# KiCad board PC110-no-placement.kicad_pcb (continued)
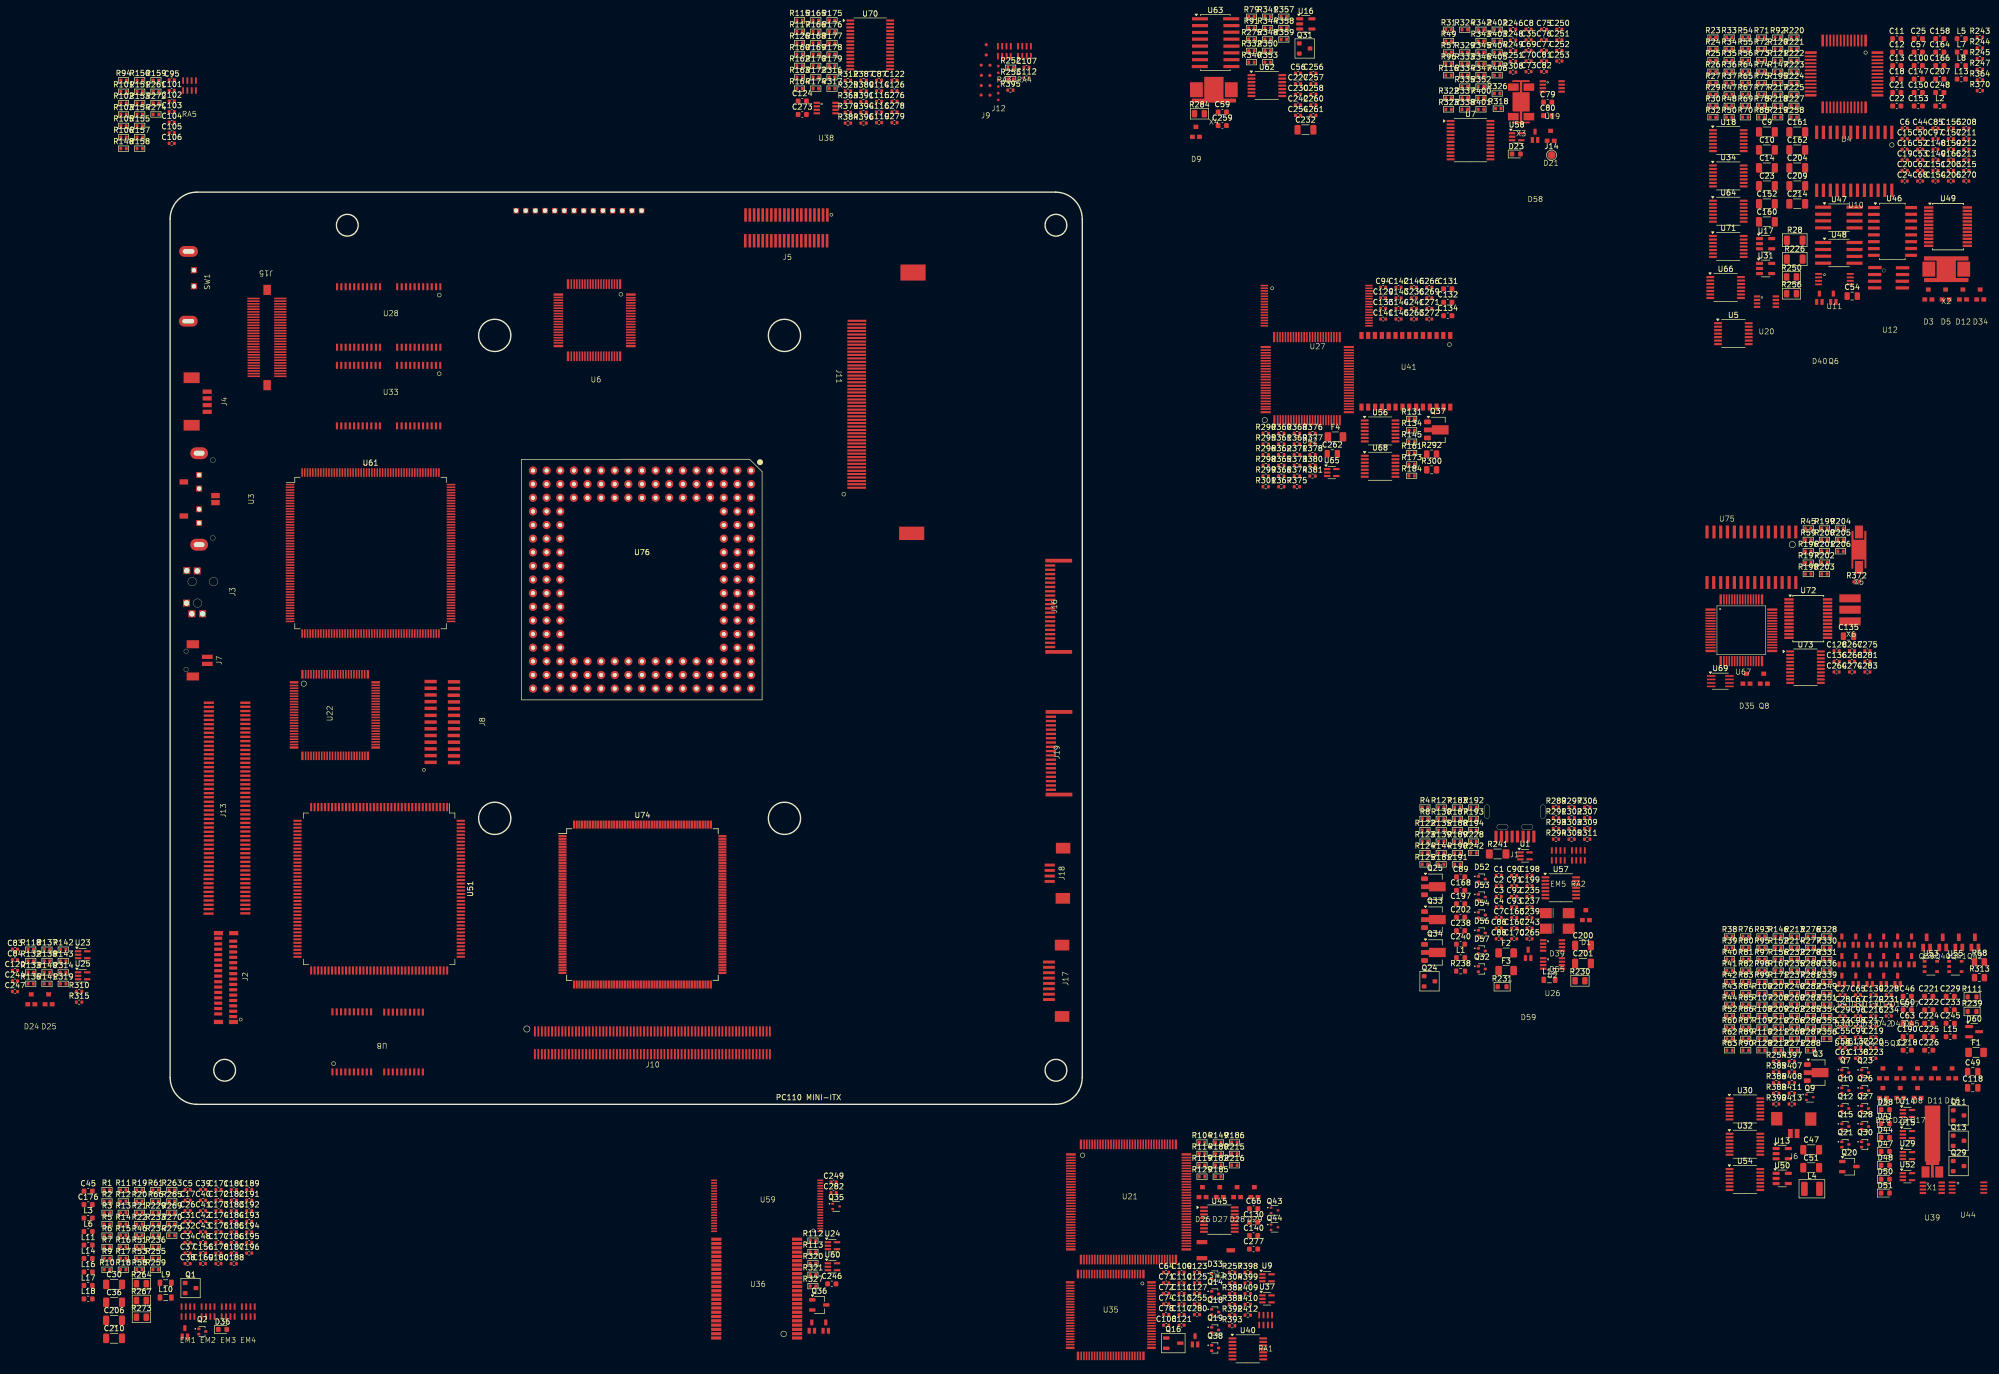
[diagram p0: board, top side]
## Placement (name value [footprint] x y rotation side) (continued)
J19  -  [Flat-18]  165.76 65.63 90 top
L1  1.5uH  [L_0603_1608Metric]  240.52 27.34 0 top
L2  1.5uH  [L_0603_1608Metric]  329.83 186.05 0 top
L3  1.5uH  [L_0603_1608Metric]  -15.28 -21.2 0 top
L4  68uH  [L_1210_3225Metric]  306 -15.75 0 top
L5  1.5uH  [L_0603_1608Metric]  333.84 198.6 0 top
L6  1.5uH  [L_0603_1608Metric]  -15.28 -23.71 0 top
L7  1.5uH  [L_0603_1608Metric]  333.84 196.09 0 top
L8  1.5uH  [L_0603_1608Metric]  333.84 193.58 0 top
L9  300nH  [L_0805_2012Metric]  -0.83 -33.26 0 top
L10  300nH  [L_0805_2012Metric]  -0.83 -36.01 0 top
L11  1.5uH  [L_0603_1608Metric]  -15.28 -26.22 0 top
L12  300nH  [L_0805_2012Metric]  257.08 23.21 0 top
L13  1.5uH  [L_0603_1608Metric]  333.84 191.07 0 top
L14  1.5uH  [L_0603_1608Metric]  -15.28 -28.73 0 top
L15  1.5uH  [L_0603_1608Metric]  331.78 12.6 0 top
L16  1.5uH  [L_0603_1608Metric]  -15.28 -31.24 0 top
L17  1.5uH  [L_0603_1608Metric]  -15.28 -33.75 0 top
L18  1.5uH  [L_0603_1608Metric]  -15.28 -36.26 0 top
Q1  IS6  [SOT-23]  3.8 -34.24 0 top
Q2  8C  [SOT-416]  5.99 -42.33 0 top
Q3  582 B74  [SOT-89-3]  307.08 5.91 0 top
Q4  YQ  [SOT-416L]  316.83 23.18 0 top
Q5  HQ  [SOT-416L]  319.43 23.18 0 top
Q6  ST3  [SOT-416L]  310.04 150.28 0 top
Q7  8C  [SOT-416]  312.23 5.92 0 top
Q8  6D  [3D]  297.07 79.12 0 top
Q9  8C  [SOT-523]  305.61 1.32 0 top
Q10  8C  [SOT-416]  312.23 2.57 0 top
Q11  IS6  [SOT-23]  333.34 -2.07 0 top
Q12  8C  [SOT-416]  312.23 -0.78 0 top
Q13  IS6  [SOT-23]  333.34 -6.79 0 top
Q14  8C  [SOT-416]  194.77 -35.35 0 top
Q15  8B  [SOT-416]  312.23 -4.13 0 top
Q16  IS6  [TSOT-23#2]  186.97 -44.51 0 top
Q17  6D  [3D]  325.73 1.92 0 top
Q18  8C  [SOT-416]  194.77 -38.7 0 top
Q19  8B  [SOT-416]  194.77 -42.05 0 top
Q20  7C  [TSOT-23#2]  312.97 -11.6 0 top
Q21  8B  [SOT-416]  312.23 -7.48 0 top
Q22  YQ  [SOT-416L]  322.03 23.18 0 top
Q23  8B  [SOT-416]  315.9 5.92 0 top
Q24  6D  [SOT-23]  234.73 22.92 0 top
Q25  BH RT  [SOT-89-3]  235.74 40.55 0 top
Q26  8C  [SOT-416]  315.9 2.57 0 top
Q27  8C  [SOT-416]  315.9 -0.78 0 top
Q28  8LR  [SOT-416]  315.9 -4.13 0 top
Q29  DNP  [SOT-23]  333.34 -11.51 0 top
Q30  8C  [SOT-416]  315.9 -7.48 0 top
Q31  6D  [SOT-23]  211.45 196.77 0 top
Q32  8B  [SOT-416]  244.48 25.23 0 top
Q33  BH RT  [SOT-89-3]  235.74 34.43 0 top
Q34  BH RT  [SOT-89-3]  235.74 28.3 0 top
Q35  8C  [SOT-523]  124.13 -19.03 0 top
Q36  7C  [TSOT-23#2]  120.99 -37.38 0 top
Q37  BH RT  [SOT-89-3]  236.29 125.69 0 top
Q38  8C  [SOT-416]  194.77 -45.4 0 top
Q39  HQ  [TSOT-23]  327.38 30.13 0 top
Q40  HQ  [TSOT-23]  330.38 30.13 0 top
Q41  CQ  [TSOT-23]  333.38 30.13 0 top
Q42  CQ  [TSOT-23]  336.38 30.13 0 top
Q43  8B  [SOT-523]  205.84 -19.76 0 top
Q44  8B  [SOT-523]  205.84 -22.91 0 top
R1  470k  [R_0402_1005Metric]  -11.77 -15.98 0 top
R2  470k  [R_0402_1005Metric]  -11.77 -18.1 0 top
R3  131k  [R_0402_1005Metric]  -11.77 -20.22 0 top
R4  4.7k  [R_0402_1005Metric]  233.88 55.31 0 top
R5  470k  [R_0402_1005Metric]  -11.77 -22.34 0 top
R6  470k  [R_0402_1005Metric]  -11.77 -24.46 0 top
R7  470k  [R_0402_1005Metric]  -11.77 -26.58 0 top
R8  300  [R_0402_1005Metric]  233.88 53.19 0 top
R9  4.7k  [R_0402_1005Metric]  -11.77 -28.7 0 top
R10  470k  [R_0402_1005Metric]  -11.77 -30.82 0 top
R11  470k  [R_0402_1005Metric]  -8.75 -15.98 0 top
R12  182k  [R_0402_1005Metric]  -8.75 -18.1 0 top
R13  470k  [R_0402_1005Metric]  -8.75 -20.22 0 top
R14  10  [R_0402_1005Metric]  -8.75 -22.34 0 top
R15  470k  [R_0402_1005Metric]  -8.75 -24.46 0 top
R16  0  [R_0402_1005Metric]  -8.75 -26.58 0 top
R17  10  [R_0402_1005Metric]  -8.75 -28.7 0 top
R18  470k  [R_0402_1005Metric]  -8.75 -30.82 0 top
R19  470k  [R_0402_1005Metric]  -5.73 -15.98 0 top
R20  10  [R_0402_1005Metric]  -5.73 -18.1 0 top
R21  0  [R_0402_1005Metric]  -5.73 -20.22 0 top
R22  470k  [R_0402_1005Metric]  -5.73 -22.34 0 top
R23  0  [R_0402_1005Metric]  287.55 198.79 0 top
R24  4.7k  [R_0402_1005Metric]  287.55 196.67 0 top
R25  1k  [R_0402_1005Metric]  287.55 194.55 0 top
R26  2.2k  [R_0402_1005Metric]  287.55 192.43 0 top
R27  470k  [R_0402_1005Metric]  287.55 190.31 0 top
R28  56  [R_1206_3216Metric]  302.8 161.03 0 top
R29  1k  [R_0402_1005Metric]  287.55 188.19 0 top
R30  0  [R_0402_1005Metric]  287.55 186.07 0 top
R31  300  [R_0402_1005Metric]  238.27 200.26 0 top
R32  2.2k  [R_0402_1005Metric]  287.55 183.95 0 top
R33  470k  [R_0402_1005Metric]  290.57 198.79 0 top
R34  1k  [R_0402_1005Metric]  290.57 196.67 0 top
R35  100k  [R_0402_1005Metric]  290.57 194.55 0 top
R36  10k  [R_0402_1005Metric]  290.57 192.43 0 top
R37  100k  [R_0402_1005Metric]  290.57 190.31 0 top
R38  4.7k  [R_0402_1005Metric]  290.65 31.27 0 top
R39  47k  [R_0402_1005Metric]  290.65 29.15 0 top
R40  47k  [R_0402_1005Metric]  290.65 27.03 0 top
R41  10k  [R_0402_1005Metric]  290.65 24.91 0 top
R42  4.7k  [R_0402_1005Metric]  290.65 22.79 0 top
R43  68k  [R_0402_1005Metric]  290.65 20.67 0 top
R44  100k  [R_0402_1005Metric]  290.65 18.55 0 top
R45  100k  [R_0402_1005Metric]  305.31 107.31 0 top
R46  33  [R_0402_1005Metric]  -5.73 -24.46 0 top
R47  DNP  [R_0402_1005Metric]  290.57 188.19 0 top  (not fitted)
R48  DNP  [R_0402_1005Metric]  290.57 186.07 0 top  (not fitted)
R49  100k  [R_0402_1005Metric]  238.27 198.14 0 top
R50  DNP  [R_0402_1005Metric]  290.57 183.95 0 top  (not fitted)
R51  0  [R_0402_1005Metric]  -5.73 -26.58 0 top
R52  120k  [R_0402_1005Metric]  290.65 16.43 0 top
R53  33  [R_0402_1005Metric]  -5.73 -28.7 0 top
R54  DNP  [R_0402_1005Metric]  293.59 198.79 0 top  (not fitted)
R55  DNP  [R_0402_1005Metric]  293.59 196.67 0 top  (not fitted)
R56  DNP  [R_0402_1005Metric]  293.59 194.55 0 top  (not fitted)
R57  100k  [R_0402_1005Metric]  238.27 196.02 0 top
R58  0  [R_0402_1005Metric]  -5.73 -30.82 0 top
R59  100k  [R_0402_1005Metric]  305.31 105.19 0 top
R60  50k  [R_0402_1005Metric]  290.65 14.31 0 top
R61  470k  [R_0402_1005Metric]  -2.71 -15.98 0 top
R62  68k  [R_0402_1005Metric]  290.65 12.19 0 top
R63  68k  [R_0402_1005Metric]  290.65 10.07 0 top
R64  DNP  [R_0402_1005Metric]  293.59 192.43 0 top  (not fitted)
R65  DNP  [R_0402_1005Metric]  293.59 190.31 0 top  (not fitted)
R66  270  [R_0402_1005Metric]  -2.71 -18.1 0 top
R67  0  [R_0402_1005Metric]  293.59 188.19 0 top
R68  56  [R_0805_2012Metric]  337.22 26.56 0 top
R69  2.2k  [R_0402_1005Metric]  293.59 186.07 0 top
R70  DNP  [R_0402_1005Metric]  293.59 183.95 0 top
R71  10k  [R_0402_1005Metric]  296.61 198.79 0 top
R72  0  [R_0402_1005Metric]  296.61 196.67 0 top
R73  2.2k  [R_0402_1005Metric]  296.61 194.55 0 top
R74  10k  [R_0402_1005Metric]  296.61 192.43 0 top
R75  0  [R_0402_1005Metric]  296.61 190.31 0 top
R76  1k  [R_0402_1005Metric]  293.67 31.27 0 top
R77  470k  [R_0402_1005Metric]  296.61 188.19 0 top
R78  10k  [R_0402_1005Metric]  296.61 186.07 0 top
R79  0  [R_0402_1005Metric]  201.54 202.69 0 top
R80  470k  [R_0402_1005Metric]  293.67 29.15 0 top
R81  100k  [R_0402_1005Metric]  293.67 27.03 0 top
R82  470k  [R_0402_1005Metric]  293.67 24.91 0 top
R83  470k  [R_0402_1005Metric]  293.67 22.79 0 top
R84  0  [R_0402_1005Metric]  293.67 20.67 0 top
R85  47k  [R_0402_1005Metric]  293.67 18.55 0 top
R86  4.7k  [R_0402_1005Metric]  293.67 16.43 0 top
R87  100k  [R_0402_1005Metric]  293.67 14.31 0 top
R88  0  [R_0402_1005Metric]  296.61 183.95 0 top
R89  4.7k  [R_0402_1005Metric]  293.67 12.19 0 top
R90  470k  [R_0402_1005Metric]  293.67 10.07 0 top
R91  470k  [R_0402_1005Metric]  201.54 200.57 0 top
R92  47  [R_0402_1005Metric]  299.63 198.79 0 top
R93  47k  [R_0402_1005Metric]  296.69 31.27 0 top
R94  470k  [R_0402_1005Metric]  -8.69 190.83 0 top
R95  47k  [R_0402_1005Metric]  296.69 29.15 0 top
R96  47k  [R_0402_1005Metric]  238.27 193.9 0 top
R97  10k  [R_0402_1005Metric]  296.69 27.03 0 top
R98  4.7k  [R_0402_1005Metric]  296.69 24.91 0 top
R99  470  [R_0402_1005Metric]  296.69 22.79 0 top
R100  220  [R_0402_1005Metric]  296.69 20.67 0 top
R101  33  [R_0402_1005Metric]  -8.69 188.71 0 top
R102  470k  [R_0402_1005Metric]  -8.69 186.59 0 top
R103  33  [R_0402_1005Metric]  -8.69 184.47 0 top
R104  47k  [R_0402_1005Metric]  192.32 -7.12 0 top
R105  470k  [R_0402_1005Metric]  -8.69 182.35 0 top
R106  33  [R_0402_1005Metric]  -8.69 180.23 0 top
R107  33k  [R_0402_1005Metric]  296.69 18.55 0 top
R108  4.7k  [R_0402_1005Metric]  296.69 16.43 0 top
R109  10k  [R_0402_1005Metric]  296.69 14.31 0 top
R110  10k  [R_0402_1005Metric]  296.69 12.19 0 top
R111  100  [R_0603_1608Metric]  335.85 20.02 0 top
R112  47k  [R_0402_1005Metric]  119.81 -25.4 0 top
R113  470k  [R_0402_1005Metric]  119.81 -27.52 0 top
R114  47k  [R_0402_1005Metric]  192.32 -9.24 0 top
R115  10k  [R_0402_1005Metric]  117.32 202.01 0 top
R116  100k  [R_0402_1005Metric]  238.27 191.78 0 top
R117  47k  [R_0402_1005Metric]  117.32 199.89 0 top
R118  100k  [R_0402_1005Metric]  -25.98 28.82 0 top
R119  470k  [R_0402_1005Metric]  192.32 -11.36 0 top
R120  100k  [R_0402_1005Metric]  299.63 196.67 0 top
R121  100k  [R_0402_1005Metric]  299.63 194.55 0 top
R122  470k  [R_0402_1005Metric]  233.88 51.07 0 top
R123  470k  [R_0402_1005Metric]  233.88 48.95 0 top
R124  470k  [R_0402_1005Metric]  233.88 46.83 0 top
R125  470k  [R_0402_1005Metric]  233.88 44.71 0 top
R126  470k  [R_0402_1005Metric]  117.32 197.77 0 top
R127  470k  [R_0402_1005Metric]  236.9 55.31 0 top
R128  470k  [R_0402_1005Metric]  296.69 10.07 0 top
R129  133k  [R_0402_1005Metric]  192.32 -13.48 0 top
R130  470k  [R_0402_1005Metric]  236.9 53.19 0 top
R131  DNP  [R_0402_1005Metric]  231.4 127.73 0 top  (not fitted)
R132  2k  [R_0402_1005Metric]  -25.98 26.7 0 top
R133  2k  [R_0402_1005Metric]  -25.98 24.58 0 top
R134  10k  [R_0402_1005Metric]  231.4 125.61 0 top
R135  470k  [R_0402_1005Metric]  236.9 51.07 0 top
R136  1k  [R_0402_1005Metric]  -25.98 22.46 0 top
R137  2k  [R_0402_1005Metric]  -22.96 28.82 0 top
R138  1k  [R_0402_1005Metric]  -22.96 26.7 0 top
R139  470k  [R_0402_1005Metric]  236.9 48.95 0 top
R140  1k  [R_0402_1005Metric]  -22.96 24.58 0 top
R141  1k  [R_0402_1005Metric]  -22.96 22.46 0 top
R142  1k  [R_0402_1005Metric]  -19.94 28.82 0 top
R143  10k  [R_0402_1005Metric]  -19.94 26.7 0 top
R144  470k  [R_0402_1005Metric]  236.9 46.83 0 top
R145  DNP  [R_0402_1005Metric]  231.4 123.49 0 top
R146  470k  [R_0402_1005Metric]  299.71 31.27 0 top
R147  470k  [R_0402_1005Metric]  299.63 192.43 0 top
R148  470k  [R_0402_1005Metric]  -8.69 178.11 0 top
R149  33  [R_0402_1005Metric]  195.34 -7.12 0 top
R150  100k  [R_0402_1005Metric]  -5.67 190.83 0 top
R151  100k  [R_0402_1005Metric]  -5.67 188.71 0 top
R152  470k  [R_0402_1005Metric]  299.71 29.15 0 top
R153  100k  [R_0402_1005Metric]  -5.67 186.59 0 top
R154  33  [R_0402_1005Metric]  -5.67 184.47 0 top
R155  100k  [R_0402_1005Metric]  -5.67 182.35 0 top
R156  470k  [R_0402_1005Metric]  299.71 27.03 0 top
R157  100k  [R_0402_1005Metric]  -5.67 180.23 0 top
R158  470k  [R_0402_1005Metric]  -5.67 178.11 0 top
R159  33  [R_0402_1005Metric]  -2.65 190.83 0 top
R160  470k  [R_0402_1005Metric]  117.32 195.65 0 top
R161  470k  [R_0402_1005Metric]  231.4 121.37 0 top
R162  470k  [R_0402_1005Metric]  117.32 193.53 0 top
R163  10k  [R_0402_1005Metric]  117.32 191.41 0 top
R164  10k  [R_0402_1005Metric]  117.32 189.29 0 top
R165  47k  [R_0402_1005Metric]  120.34 202.01 0 top
R166  10k  [R_0402_1005Metric]  120.34 199.89 0 top
R167  100k  [R_0402_1005Metric]  299.71 24.91 0 top
R168  10k  [R_0402_1005Metric]  120.34 197.77 0 top
R169  10k  [R_0402_1005Metric]  120.34 195.65 0 top
R170  10k  [R_0402_1005Metric]  120.34 193.53 0 top
R171  47k  [R_0402_1005Metric]  299.71 22.79 0 top
R172  10k  [R_0402_1005Metric]  120.34 191.41 0 top
R173  470k  [R_0402_1005Metric]  231.4 119.25 0 top
R174  10k  [R_0402_1005Metric]  120.34 189.29 0 top
R175  10k  [R_0402_1005Metric]  123.36 202.01 0 top
R176  10k  [R_0402_1005Metric]  123.36 199.89 0 top
R177  47k  [R_0402_1005Metric]  123.36 197.77 0 top
R178  10k  [R_0402_1005Metric]  123.36 195.65 0 top
R179  10k  [R_0402_1005Metric]  123.36 193.53 0 top
R180  180k  [R_0402_1005Metric]  195.34 -9.24 0 top
R181  10k  [R_0402_1005Metric]  236.9 44.71 0 top
R182  470k  [R_0402_1005Metric]  195.34 -11.36 0 top
R183  470k  [R_0402_1005Metric]  239.92 55.31 0 top
R184  DNP  [R_0402_1005Metric]  231.4 117.13 0 top  (not fitted)
R185  4.7k  [R_0402_1005Metric]  195.34 -13.48 0 top
R186  470k  [R_0402_1005Metric]  198.36 -7.12 0 top
R187  470k  [R_0402_1005Metric]  239.92 53.19 0 top
R188  10k  [R_0402_1005Metric]  239.92 51.07 0 top
R189  470k  [R_0402_1005Metric]  239.92 48.95 0 top
R190  470k  [R_0402_1005Metric]  239.92 46.83 0 top
R191  470k  [R_0402_1005Metric]  239.92 44.71 0 top
R192  10k  [R_0402_1005Metric]  242.94 55.31 0 top
R193  10k  [R_0402_1005Metric]  242.94 53.19 0 top
R194  470k  [R_0402_1005Metric]  242.94 51.07 0 top
R195  0  [R_0402_1005Metric]  299.63 190.31 0 top
R196  47k  [R_0402_1005Metric]  305.31 103.07 0 top
R197  47k  [R_0402_1005Metric]  305.31 100.95 0 top
R198  10k  [R_0402_1005Metric]  305.31 98.83 0 top
R199  DNP  [R_0402_1005Metric]  308.33 107.31 0 top  (not fitted)
R200  47k  [R_0402_1005Metric]  308.33 105.19 0 top
R201  100k  [R_0402_1005Metric]  308.33 103.07 0 top
R202  DNP  [R_0402_1005Metric]  308.33 100.95 0 top  (not fitted)
R203  10k  [R_0402_1005Metric]  308.33 98.83 0 top
R204  47k  [R_0402_1005Metric]  311.35 107.31 0 top
R205  100k  [R_0402_1005Metric]  311.35 105.19 0 top
R206  47k  [R_0402_1005Metric]  311.35 103.07 0 top
R207  120k  [R_0402_1005Metric]  299.71 20.67 0 top
R208  120k  [R_0402_1005Metric]  299.71 18.55 0 top
R209  100k  [R_0402_1005Metric]  299.71 16.43 0 top
R210  100K  [R_0402_1005Metric]  299.71 14.31 0 top
R211  120k  [R_0402_1005Metric]  299.71 12.19 0 top
R212  100k  [R_0402_1005Metric]  299.71 10.07 0 top
R213  120k  [R_0402_1005Metric]  302.73 31.27 0 top
R214  100k  [R_0402_1005Metric]  302.73 29.15 0 top
R215  470k  [R_0402_1005Metric]  198.36 -9.24 0 top
R216  470k  [R_0402_1005Metric]  198.36 -11.36 0 top
R217  470k  [R_0402_1005Metric]  299.63 188.19 0 top
R218  470k  [R_0402_1005Metric]  299.63 186.07 0 top
R219  100k  [R_0402_1005Metric]  299.63 183.95 0 top
R220  10k  [R_0402_1005Metric]  302.65 198.79 0 top
R221  0  [R_0402_1005Metric]  302.65 196.67 0 top
R222  6.8k  [R_0402_1005Metric]  302.65 194.55 0 top
R223  100k  [R_0402_1005Metric]  302.65 192.43 0 top
R224  470k  [R_0402_1005Metric]  302.65 190.31 0 top
R225  6.8k  [R_0402_1005Metric]  302.65 188.19 0 top
R226  120  [R_1206_3216Metric]  302.8 157.51 0 top
R227  10k  [R_0402_1005Metric]  302.65 186.07 0 top
R228  470k  [R_0402_1005Metric]  242.94 48.95 0 top
R229  470k  [R_0402_1005Metric]  -2.71 -20.22 0 top
R230  0  [R_0805_2012Metric]  262.77 23.02 0 top
R231  0  [R_0603_1608Metric]  248.26 21.92 0 top
R232  10k  [R_0402_1005Metric]  302.73 27.03 0 top
R233  470k  [R_0402_1005Metric]  -2.71 -22.34 0 top
R234  100k  [R_0402_1005Metric]  -2.71 -24.46 0 top
R235  470k  [R_0402_1005Metric]  302.73 24.91 0 top
R236  470  [R_0402_1005Metric]  -2.71 -26.58 0 top
R237  10k  [R_0402_1005Metric]  302.73 22.79 0 top
R238  56  [R_0603_1608Metric]  240.52 24.83 0 top
R239  56  [R_0603_1608Metric]  335.85 17.3 0 top
R240  47k  [R_0402_1005Metric]  302.73 20.67 0 top
R241  8.2  [R_1206_3216Metric_Pad1.30x1.75mm_HandSolder]  247.42 46.66 0 top
R242  7.5k  [R_0402_1005Metric]  242.94 46.83 0 top
R243  470k  [R_0402_1005Metric]  337.3 198.86 0 top
R244  470k  [R_0402_1005Metric]  337.3 196.87 0 top
R245  470k  [R_0402_1005Metric]  337.3 194.88 0 top
R246  47k  [R_0402_1005Metric]  250.3 200.32 0 top
R247  470k  [R_0402_1005Metric]  337.3 192.89 0 top
R248  470k  [R_0402_1005Metric]  250.3 198.33 0 top
R249  47k  [R_0402_1005Metric]  250.3 196.34 0 top
R250  0  [R_0805_2012Metric]  302.2 154.19 0 top
R251  33  [R_0402_1005Metric]  250.3 194.35 0 top
R252  33  [R_0402_1005Metric]  156.66 193.18 0 top
R253  DNP  [R_0402_1005Metric]  156.66 191.06 0 top
R254  47k  [R_0402_1005Metric]  299.34 8.02 0 top
R255  33  [R_0402_1005Metric]  -2.71 -28.7 0 top
R256  100  [R_0805_2012Metric]  302.2 151.07 0 top
R257  33  [R_0402_1005Metric]  197.94 -31.32 0 top
R258  10k  [R_0402_1005Metric]  302.65 183.95 0 top
R259  470k  [R_0402_1005Metric]  -2.71 -30.82 0 top
R260  133k  [R_0402_1005Metric]  302.73 18.55 0 top
R261  33  [R_0402_1005Metric]  -2.65 188.71 0 top
R262  470k  [R_0402_1005Metric]  302.73 16.43 0 top
R263  4.7k  [R_0402_1005Metric]  0.31 -15.98 0 top
R264  150  [R_0805_2012Metric]  -5.37 -33.44 0 top
R265  4.7k  [R_0402_1005Metric]  0.31 -18.1 0 top
R266  50k  [R_0402_1005Metric]  302.73 14.31 0 top
R267  150  [R_0805_2012Metric]  -5.37 -36.56 0 top
R268  100k  [R_0402_1005Metric]  302.73 12.19 0 top
R269  470k  [R_0402_1005Metric]  0.31 -20.22 0 top
R270  4.7k  [R_0402_1005Metric]  0.31 -22.34 0 top
R271  DNP  [R_0402_1005Metric]  302.73 10.07 0 top  (not fitted)
R272  33  [R_0402_1005Metric]  -2.65 186.59 0 top
R273  150  [R_0805_2012Metric]  -5.37 -39.68 0 top
R274  33  [R_0402_1005Metric]  -2.65 184.47 0 top
R275  4.7k  [R_0402_1005Metric]  201.54 198.45 0 top
R276  33k  [R_0402_1005Metric]  305.75 31.27 0 top
R277  200k  [R_0402_1005Metric]  305.75 29.15 0 top
R278  470k  [R_0402_1005Metric]  305.75 27.03 0 top
R279  4.7k  [R_0402_1005Metric]  0.31 -24.46 0 top
R280  47k  [R_0402_1005Metric]  305.75 24.91 0 top
R281  10k  [R_0402_1005Metric]  305.75 22.79 0 top
R282  470k  [R_0402_1005Metric]  305.75 20.67 0 top
R283  4.7k  [R_0402_1005Metric]  305.75 18.55 0 top
R284  10  [R_0805_2012Metric]  191.84 184.62 0 top
R285  0  [R_0402_1005Metric]  305.75 16.43 0 top
R286  22k  [R_0402_1005Metric]  305.75 14.31 0 top
R287  470k  [R_0402_1005Metric]  305.75 12.19 0 top
R288  47k  [R_0402_1005Metric]  305.75 10.07 0 top
R289  10k  [R_0402_1005Metric]  258.3 55.38 0 top
R290  DNP  [R_0402_1005Metric]  204.2 125.04 0 top
R291  220  [R_0402_1005Metric]  258.3 53.39 0 top
R292  DNP  [R_0805_2012Metric]  235.12 121.19 0 top
R293  22k  [R_0402_1005Metric]  258.3 51.4 0 top
R294  1.2k  [R_0402_1005Metric]  258.3 49.41 0 top
R295  0  [R_0402_1005Metric]  204.2 123.05 0 top
R296  DNP  [R_0402_1005Metric]  204.2 121.06 0 top
R297  220  [R_0402_1005Metric]  261.21 55.38 0 top
R298  DNP  [R_0402_1005Metric]  204.2 119.07 0 top
R299  0  [R_0402_1005Metric]  204.2 117.08 0 top
R300  0  [R_0805_2012Metric]  235.12 118.24 0 top
R301  DNP  [R_0402_1005Metric]  204.2 115.09 0 top
R302  470k  [R_0402_1005Metric]  261.21 53.39 0 top
R303  470k  [R_0402_1005Metric]  261.21 51.4 0 top
R304  4.7k  [R_0402_1005Metric]  197.94 -33.31 0 top
R305  470k  [R_0402_1005Metric]  261.21 49.41 0 top
R306  470k  [R_0402_1005Metric]  264.12 55.38 0 top
R307  470k  [R_0402_1005Metric]  264.12 53.39 0 top
R308  10  [R_0402_1005Metric]  250.3 192.36 0 top
R309  470k  [R_0402_1005Metric]  264.12 51.4 0 top
R310  100k  [R_0402_1005Metric]  -16.97 21.03 0 top
R311  470k  [R_0402_1005Metric]  264.12 49.41 0 top
R312  47k  [R_0402_1005Metric]  126.33 190.82 0 top
R313  300  [R_0805_2012Metric]  337.22 23.61 0 top
R314  470k  [R_0402_1005Metric]  -19.94 24.58 0 top
R315  470k  [R_0402_1005Metric]  -16.97 19.04 0 top
R316  1k  [R_0402_1005Metric]  123.36 191.41 0 top
R317  33  [R_0402_1005Metric]  123.36 189.29 0 top
R318  33  [R_0402_1005Metric]  247.53 185.57 0 top
R319  1k  [R_0402_1005Metric]  -19.94 22.46 0 top
R320  10k  [R_0402_1005Metric]  119.81 -29.64 0 top
R321  100k  [R_0402_1005Metric]  119.81 -31.76 0 top
R322  33  [R_0402_1005Metric]  238.27 187.54 0 top
R323  1k  [R_0402_1005Metric]  238.27 185.42 0 top
R324  33  [R_0402_1005Metric]  241.29 200.26 0 top
R325  10k  [R_0402_1005Metric]  126.33 188.83 0 top
R326  33  [R_0402_1005Metric]  247.33 188.38 0 top
R327  470k  [R_0402_1005Metric]  119.81 -33.88 0 top
R328  4.7k  [R_0402_1005Metric]  308.77 31.27 0 top
R329  33  [R_0402_1005Metric]  241.29 196.02 0 top
R330  4.7k  [R_0402_1005Metric]  308.77 29.15 0 top
R331  4.7k  [R_0402_1005Metric]  308.77 27.03 0 top
R332  33  [R_0402_1005Metric]  201.54 196.33 0 top
R333  33  [R_0402_1005Metric]  241.29 193.9 0 top
R334  33  [R_0402_1005Metric]  241.29 191.78 0 top
R335  33  [R_0402_1005Metric]  241.29 189.66 0 top
R336  4.7k  [R_0402_1005Metric]  308.77 24.91 0 top
R337  33  [R_0402_1005Metric]  241.29 187.54 0 top
R338  33  [R_0402_1005Metric]  241.29 185.42 0 top
R339  4.7k  [R_0402_1005Metric]  308.77 22.79 0 top
R340  33  [R_0402_1005Metric]  201.54 194.21 0 top
R341  33  [R_0402_1005Metric]  204.56 202.69 0 top
R342  33  [R_0402_1005Metric]  244.31 200.26 0 top
R343  33  [R_0402_1005Metric]  244.31 198.14 0 top
R344  DNP  [R_0402_1005Metric]  204.56 200.57 0 top  (not fitted)
R345  33  [R_0402_1005Metric]  244.31 196.02 0 top
R346  33  [R_0402_1005Metric]  244.31 193.9 0 top
R347  33  [R_0402_1005Metric]  244.31 191.78 0 top
R348  33  [R_0402_1005Metric]  204.56 198.45 0 top
R349  100k  [R_0402_1005Metric]  308.77 20.67 0 top
R350  33  [R_0402_1005Metric]  204.56 196.33 0 top
R351  4.7k  [R_0402_1005Metric]  308.77 18.55 0 top
R352  33  [R_0402_1005Metric]  244.31 189.66 0 top
R353  56  [R_0402_1005Metric]  204.56 194.21 0 top
R354  4.7k  [R_0402_1005Metric]  308.77 16.43 0 top
R355  4.7k  [R_0402_1005Metric]  308.77 14.31 0 top
R356  47k  [R_0402_1005Metric]  308.77 12.19 0 top
R357  33  [R_0402_1005Metric]  207.58 202.69 0 top
R358  47  [R_0402_1005Metric]  207.58 200.57 0 top
R359  33  [R_0402_1005Metric]  207.58 198.45 0 top
R360  470k  [R_0402_1005Metric]  207.11 125.04 0 top
R361  470k  [R_0402_1005Metric]  207.11 123.05 0 top
R362  2k  [R_0402_1005Metric]  207.11 121.06 0 top
R363  100k  [R_0402_1005Metric]  126.33 186.84 0 top
R364  DNP  [R_0402_1005Metric]  337.3 190.9 0 top
R365  10k  [R_0402_1005Metric]  207.11 119.07 0 top
R366  0  [R_0402_1005Metric]  207.11 117.08 0 top
R367  0  [R_0402_1005Metric]  207.11 115.09 0 top
R368  1.5k  [R_0402_1005Metric]  210.02 125.04 0 top
R369  22k  [R_0402_1005Metric]  210.02 123.05 0 top
R370  0  [R_0402_1005Metric]  337.3 188.91 0 top
R371  2k  [R_0402_1005Metric]  210.02 121.06 0 top
R372  100k  [R_0402_1005Metric]  314.31 97.37 0 top
R373  4.7k  [R_0402_1005Metric]  210.02 119.07 0 top
R374  4.7k  [R_0402_1005Metric]  210.02 117.08 0 top
R375  4.7k  [R_0402_1005Metric]  210.02 115.09 0 top
R376  4.7k  [R_0402_1005Metric]  212.93 125.04 0 top
R377  4.7k  [R_0402_1005Metric]  212.93 123.05 0 top
R378  4.7k  [R_0402_1005Metric]  212.93 121.06 0 top
R379  470k  [R_0402_1005Metric]  126.33 184.85 0 top
R380  4.7k  [R_0402_1005Metric]  212.93 119.07 0 top
R381  4.7k  [R_0402_1005Metric]  212.93 117.08 0 top
R382  50k  [R_0402_1005Metric]  197.94 -35.3 0 top
R383  33k  [R_0402_1005Metric]  197.94 -37.29 0 top
R384  10k  [R_0402_1005Metric]  126.33 182.86 0 top
R385  47k  [R_0402_1005Metric]  299.34 6.03 0 top
R386  1k  [R_0402_1005Metric]  299.34 4.04 0 top
R387  DNP  [R_0402_1005Metric]  129.24 190.82 0 top
R388  3K  [R_0402_1005Metric]  299.34 2.05 0 top
R389  10k  [R_0402_1005Metric]  129.24 188.83 0 top
R390  100k  [R_0402_1005Metric]  299.34 0.06 0 top
R391  10k  [R_0402_1005Metric]  129.24 186.84 0 top
R392  22k  [R_0402_1005Metric]  197.94 -39.28 0 top
R393  47k  [R_0402_1005Metric]  197.94 -41.27 0 top
R394  DNP  [R_0402_1005Metric]  129.24 184.85 0 top  (not fitted)
R395  10k  [R_0402_1005Metric]  156.61 189 0 top
R396  10k  [R_0402_1005Metric]  129.24 182.86 0 top
R397  47k  [R_0402_1005Metric]  302.25 8.02 0 top
R398  22k  [R_0402_1005Metric]  200.85 -31.32 0 top
R399  22k  [R_0402_1005Metric]  200.85 -33.31 0 top
R400  DNP  [R_0402_1005Metric]  244.31 187.54 0 top  (not fitted)
R401  100k  [R_0402_1005Metric]  244.31 185.42 0 top
R402  DNP  [R_0402_1005Metric]  247.33 200.26 0 top  (not fitted)
R403  DNP  [R_0402_1005Metric]  247.33 198.14 0 top  (not fitted)
R404  100k  [R_0402_1005Metric]  247.33 196.02 0 top
R405  100k  [R_0402_1005Metric]  247.33 193.9 0 top
R406  100k  [R_0402_1005Metric]  247.33 191.78 0 top
R407  100k  [R_0402_1005Metric]  302.25 6.03 0 top
R408  47k  [R_0402_1005Metric]  302.25 4.04 0 top
R409  2.2k  [R_0402_1005Metric]  200.85 -35.3 0 top
R410  20k  [R_0402_1005Metric]  200.85 -37.29 0 top
R411  47k  [R_0402_1005Metric]  302.25 2.05 0 top
R412  7.5k  [R_0402_1005Metric]  200.85 -39.28 0 top
R413  100k  [R_0402_1005Metric]  302.25 0.06 0 top
RA1  47k  [R-array]  204.16 -40.28 0 top
RA2  10k  [R-array]  262.45 46.31 0 top
RA3  22k  [R-array]  155.45 196.19 0 top
RA4  10k  [R-array]  159.2 196.19 0 top
RA5  470k  [R-array]  3.58 189.79 0 top
SW1  -  [Switch]  3.48 152.2 0 top
SW2  -  [LidSwitch]  195.11 -27.2 0 top
U1  EA  [SOT-353]  252.52 46.3 0 top
U2  7W32  [sso-8]  257.66 29.63 0 top
U3  HSDL-1000 X03  [IRDA]  6.95 112.79 90 top
U4  ES488F  [QFN-52]  312.41 192 0 top
U5  74HC14  [TSSOP-14_4.4x5mm_P0.65mm]  291.36 143.62 0 top
U6  M38223E4HP  [QFN-80]  79.31 146.11 0 top
U7  HD151015  [TSSOP-24_6.1x7.8mm_P0.65mm]  242.36 179.68 0 top
U8  51W4260ATT7  [GRAMchip]  38.65 11.49 180 top
U9  E4  [SOT-353]  204.43 -32.33 0 top
U10  YM3812  [SOP-24]  314.19 176.39 0 top
U11  NJM2904M  [soic-8-small]  310.19 153.81 0 top
U12  LM4861  [SOIC-8-narrow]  320.54 154.14 0 top
U13  8C01  [SOT-23-5]  300.46 -9.19 0 top
U14  EA  [SOT-353]  323.8 -1.71 0 top
U15  EA  [SOT-353]  323.8 -5.63 0 top
U16  8C01  [SOT-23-5]  211.67 201.35 0 top
U17  3E00  [SOT-23-5]  297.36 160.39 0 top
U18  VT74  [TSSOP-14_4.4x5mm_P0.65mm]  290.41 179.59 0 top
U19  7W126  [sso-8]  257.59 189.72 0 top
U20  7W14  [sso-8]  297.53 149.61 0 top
U21  -  [Bowman]  178.86 -17.68 0 top
U22  FDC37C665IR  [FDC]  30.25 72.85 90 top
U23  EA  [SOT-353]  -16.3 27.88 0 top
U24  E4  [SOT-353]  123.44 -26.34 0 top
U25  E4  [SOT-353]  -16.3 23.95 0 top
U26  7W126  [sso-8]  257.66 26.28 0 top
U27  AT29LV512-12TU  [Flash-32]  213.94 148.44 0 top
U28  M5M4V16160BTP  [RAMchip]  41.14 146.9 0 top
U29  E2  [SOT-353]  323.8 -9.56 0 top
U30  74LVT74  [TSSOP-14_4.4x5mm_P0.65mm]  293.51 -0.86 0 top
U31  3F01  [SOT-23-5]  297.36 155.77 0 top
U32  V74  [TSSOP-14_4.4x5mm_P0.65mm]  293.51 -7.44 0 top
U33  M5M4V16160BTP  [RAMchip]  41.12 132.24 0 top
U34  74LV126  [TSSOP-14_4.4x5mm_P0.65mm]  290.41 173.02 0 top
U35  -  [Pluto]  175.31 -38.78 0 top
U36  MSM538032E  [SOP48]  109.55 -33.99 0 top
U37  E8  [SOT-353]  204.43 -36.25 0 top
U38  7W14  [sso-8]  122.27 185.69 0 top
U39  7W00  [sso-8]  328.43 -15.52 0 top
U40  SN74LS74a  [TSSOP-14_4.4x5mm_P0.65mm]  200.86 -45.57 0 top
U41  SDLB-4  [SanDisk]  230.94 136.91 0 top
U42  SC414281PU4  [QFN-100]  212.42 135.06 0 top
U43  Front LCD  [LCD]  76.37 166.55 0 top
U44  NJM2904M  [soic-8-small]  335.08 -15.49 0 top
U45  SN74LS123A  [TSSOP-16_4.4x5mm_P0.65mm]  195.56 -21.48 0 top
U46  Y3014  [SOP-16]  320.99 162.67 0 top
U47  3414A  [SOIC-8]  311.04 165.24 0 top
U48  DS1669  [SOIC-8]  311.04 158.66 0 top
U49  HD151015  [SSOP-24_5.3x8.2mm_P0.65mm]  331.36 163.57 0 top
U50  3T01  [SOT-23-5]  300.46 -13.81 0 top
U51  ~  [EIAJ160]  38.95 40.17 270 top
U52  EA  [SOT-353]  323.8 -13.48 0 top
U53  3F01  [TSOP-5_1.65x3.05mm_P0.95mm]  328.16 25.69 0 top
U54  SN74HC74  [TSSOP-14_4.4x5mm_P0.65mm]  293.51 -14.01 0 top
U55  3T01  [TSOP-5_1.65x3.05mm_P0.95mm]  332.73 25.69 0 top
U56  SN74LV32  [TSSOP-14_4.4x5mm_P0.65mm]  225.52 125.49 0 top
U57  SN74LVT125  [TSSOP-14_4.4x5mm_P0.65mm]  259.18 40.35 0 top
U58  EA  [SOT-353]  250.97 180.32 0 top
U59  28F002BX  [Flash-40]  111.38 -18.26 0 top
U60  E3  [SOT-353]  123.44 -30.27 0 top
U61  ~  [QFP208]  37.35 102.74 0 top
U62  SN74LVT125  [TSSOP-14_4.4x5mm_P0.65mm]  204.41 189.85 0 top
U63  AV9154A-27  [SOIC-16W]  194.81 197.85 0 top
U64  SN74LV126  [TSSOP-14_4.4x5mm_P0.65mm]  290.41 166.44 0 top
U65  E4  [SOT-353]  216.51 117.74 0 top
U66  SN74LV02  [TSSOP-14_4.4x5mm_P0.65mm]  289.92 152.22 0 top
U67  M38813M4  [QFN64]  293.1 88.6 0 top
U68  SN74LV08  [TSSOP-14_4.4x5mm_P0.65mm]  225.52 118.91 0 top
U69  SN74LVC2G32  [SSOP-8_2.95x2.8mm_P0.65mm]  288.92 78.86 0 top
U70  TPS2201  [TSSOP-30_6.1x9.7mm_P0.65mm]  130.47 197.44 0 top
U71  SN74LV32  [TSSOP-14_4.4x5mm_P0.65mm]  290.41 159.87 0 top
U72  HD151015  [SSOP-24_5.3x8.2mm_P0.65mm]  305.32 90.52 0 top
U73  SN74LVT244B  [TSSOP-20_4.4x6.5mm_P0.65mm]  304.8 81.47 0 top
U74  ~  [LQFP208]  88.03 37.23 0 top
U75  D17137AGT  [SSOP-28]  295.15 101.42 0 top
U76  ~  [PGA168]  65.09 120.66 0 top
X1  245759  [XTAL-2]  328.43 -7.06 0 top
X2  89G6821  [XTAL-1]  331.04 155.54 0 top
X3  32768  [XTAL-3]  251.79 186.82 0 top
X4  59G3482  [XTAL-6]  194.53 188.98 0 top
X5  4.00  [XTAL-5]  314.76 103.27 0 top
X6  8.00  [XTAL-4]  313.25 92.1 0 top

## Library data of the parts
C6 C8 C9 C14 C16 C19 C27 C28 C35 C44 C50 C52-C63 C66 C68-C71 C74 C76 C78-C80 C82 C94 C96-C100 C102-C107 C111 C112 C114-C117 C119 C121-C123 C125 C127 C128 C130-C134 C137-C146 C148 C149 C151-C153 C155 C157-C159 C161 C164 C165 C203-C205 C208 C209 C211-C217 C219 C220 C223 C231 C236 C241 C244 C247 C248 C250-C253 C255 C262 C263 C266 C267 C269 C271 C274-C277 C280 = -: ki_fp_filters: C_*
C270 R1-R69 R71-R413 = -: ki_fp_filters: R_*
D6 D7 D23 D36 D38 D39 D41 D44 D47 D48 D50 D51 D55 = -: ki_fp_filters: TO-???* *_Diode_* *SingleDiode* D_*
D52-D54 D56 D57 = -: ki_fp_filters: SOT?323*
F1-F4 = -: ki_fp_filters: *Fuse*
J2 J4 J6 J7 J16-J19 U43 = -: ki_fp_filters: Connector*:*_1x??_*
J3 = -: ki_fp_filters: Jack*
J5 = -: ki_fp_filters: Connector*:*_2x??_*
L1 L4 L12 = -: ki_fp_filters: Choke_* *Coil* Inductor_* L_*
Q2 Q7 Q9-Q14 Q18 Q19 Q26 Q27 Q35 Q38 Q43 Q44 U29 = -: ki_fp_filters: SOT?23*
Q3 = -: ki_fp_filters: TO?92*
Q24 Q31 = -: ki_fp_filters: SOT?23* SC?59*
Q29 = -: ki_fp_filters: SOT* SC*
R70 = -: Description: External clock input for Audio Drive; ki_fp_filters: R_*
RA1-RA5 = -: ki_fp_filters: DIP* SOIC* R*Array*Concave* R*Array*Convex* MSOP*
U1 U14 U15 U23 U52 U58 = -: ki_fp_filters: SOT?23* SOT?553*
U2 U20 U26 U38 U39 = -: ki_fp_filters: SSOP* VSSOP*
U5 U18 U30 U32 U34 U40 U68 = -: ki_fp_filters: DIP*W7.62mm*
U9 U25 U37 U65 = -: ki_fp_filters: SOT* SG-*
U11 U44 = -: ki_fp_filters: SOIC*3.9x4.9mm*P1.27mm* DIP*W7.62mm* TO*99* OnSemi*Micro8* TSSOP*3x3mm*P0.65mm* TSSOP*4.4x3mm*P0.65mm* MSOP*3x3mm*P0.65mm* SSOP*3.9x4.9mm*P0.635mm* LFCSP*2x2mm*P0.5mm* *SIP* SOIC*5.3x6.2mm*P1.27mm*
U12 = -: Datasheet: https://github.com/ahmadexp/Open-Source-PC110/blob/main/datasheets/top/6-LM4861.pdf; Description: Audio Amp; ki_fp_filters: MSOP*3x3mm*P0.65mm* SOIC*3.9x4.9mm*P1.27mm*
U19 = -: ki_fp_filters: VSSOP*
U24 U60 = -: ki_fp_filters: SOT?23* Texas?R-PDSO-G5?DCK* Texas?R-PDSO-N5?DRL* Texas?X2SON*0.8x0.8mm*P0.48mm*
U45 = -: ki_fp_filters: DIP?16*
U47 = -: ki_fp_filters: SOIC*3.9x4.9mm*P1.27mm* DIP*W7.62mm* MSOP*3x3mm*P0.65mm* SSOP*2.95x2.8mm*P0.65mm* TSSOP*3x3mm*P0.65mm* VSSOP*P0.5mm* TO?99*
U48 = -: Description: Digital Rheostat
U49 U72 = -: Datasheet: https://github.com/ahmadexp/PC110-Mainboard-Schematic/blob/main/datasheets/bottom/8-HD151015.pdf; Description: 9 bit Level Shifter/Transceiver With 3 State Outputs
U54 = -: Datasheet: https://github.com/ahmadexp/PC110-Mainboard-Schematic/blob/main/datasheets/bottom/b-v74.pdf; Description: Dual D-Type Positive-Edge-Triggered Flip-Flops With Clear and Preset; ki_fp_filters: DIP*W7.62mm*
